# EAGLE board Mk4 Final a Panel score 2x5 (EAGLE 9.0.1), part 29 of 29
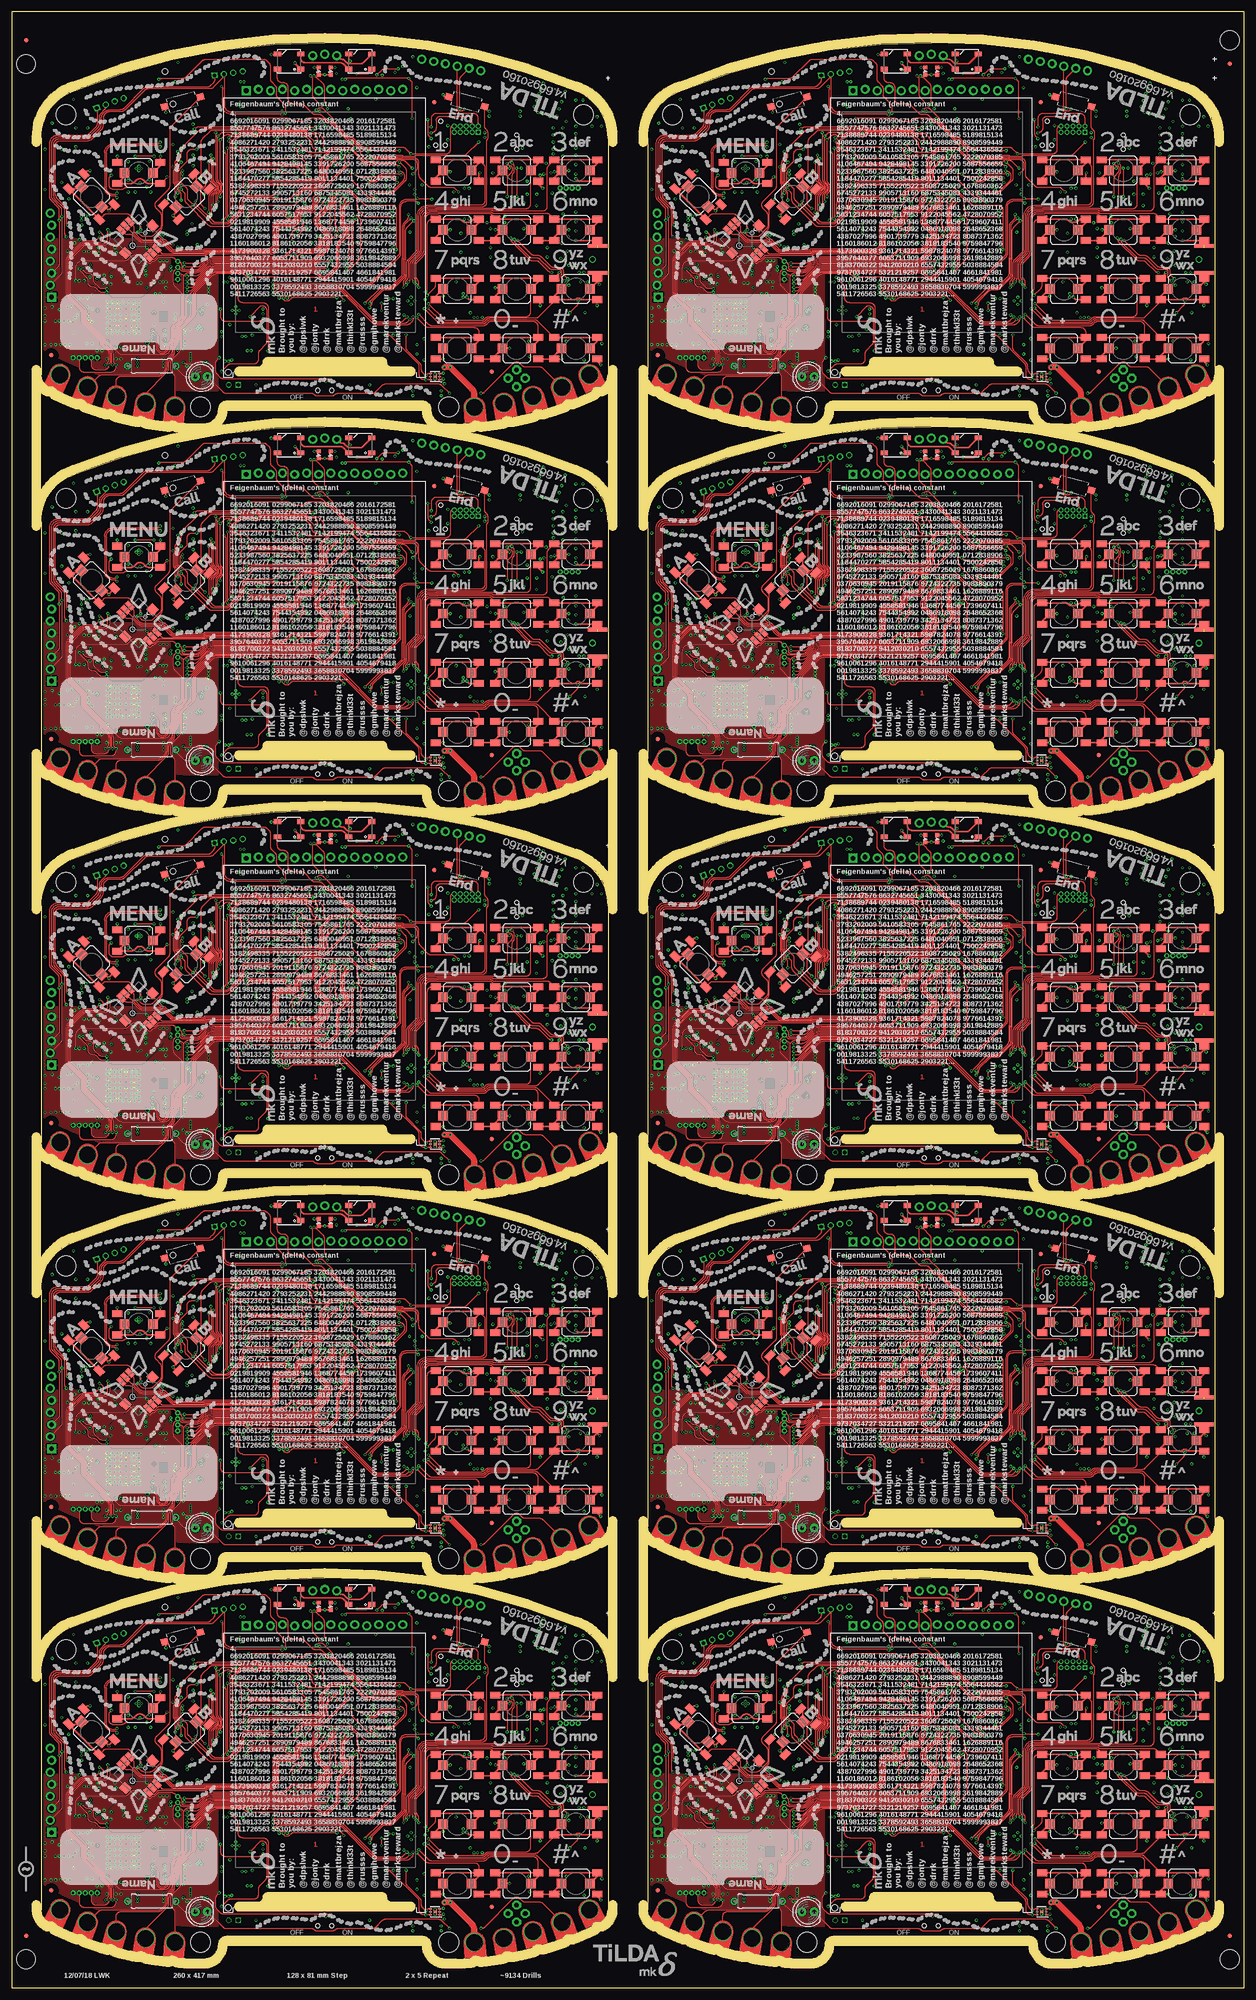
[diagram p0: board, top side]
## Tracks (layer width: path | path; a pad name or v marks a point on that pad's centre or on a via) (continued)
VDD_ANA9  (via drill 0.3) (continued)
  pour 3V3@2 (rank 2, no thermals): 158.75,357.75 158.75,357 158.25,356.5 156.5,356.5 155.75,357.5 148.5,357.5 146.5,355.5 146.5,354 146,353.5 145.75,353.5 145.5,353.75 145.5,354.5 145.75,354.75 145.75,357.5 145.25,358 144.5,358 144,358.5 144,362.3 143.7,362.6 143.7,363.5 144.2,364 144.8,364 145.25,363.55 145.25,360.25 145.5,360 147,360 147.25,360.25 149.65,360.25 151.65,358.25 158.25,358.25
VDD_DIG_CC  (via drill 0.3)
  3V3@2 0.5: v23,22.25 23,23 23.5,23.5 27.5,23.5 28.75,24.75 v29.75,24.75
  3V3@2 1: v29.75,24.75 30.25,24.75 31.3,25.8 31.3,26.6 31.8,27.1 33.17,27.1 33.55,27.48 33.55,31.45 33.5,31.5 v33.5,38.5 v33.5,39.25
  Bottom 0.25: C96.1 v29.75,24.75 29.23,25.27 arc-45 29.17,25.41 29.17,25.86 arc45 29.12,26 29.06,26.06 arc-45 29,26.2 29,27.75 arc90 28,28.75 IC15.56 | IC15.9 23.25,22.85 arc-45 v23,22.25 C97.1
  Bottom 0.4: C87.1 32.25,39 32.05,39.2 30.1,39.2 L9.1 | v33.5,39.25 32.6,39.25 C87.1 | v33.5,38.5 32.65,38.5 C87.1
VDD_DIG_CC1  (via drill 0.3)
  3V3@2 0.5: v151,22.25 151,23 151.5,23.5 155.5,23.5 156.75,24.75 v157.75,24.75
  3V3@2 1: v157.75,24.75 158.25,24.75 159.3,25.8 159.3,26.6 159.8,27.1 161.17,27.1 161.55,27.48 161.55,31.45 161.5,31.5 v161.5,38.5 v161.5,39.25
  Bottom 0.25: C204.1 v157.75,24.75 157.23,25.27 arc-45 157.18,25.41 157.18,25.86 arc45 157.12,26 157.06,26.06 arc-45 157,26.2 157,27.75 arc90 156,28.75 IC29.56 | IC29.9 151.25,22.85 arc-45 v151,22.25 C205.1
  Bottom 0.4: C195.1 160.25,39 160.05,39.2 158.1,39.2 L18.1 | v161.5,39.25 160.6,39.25 C195.1 | v161.5,38.5 160.65,38.5 C195.1
VDD_DIG_CC2  (via drill 0.3)
  3V3@2 0.5: v23,103.25 23,104 23.5,104.5 27.5,104.5 28.75,105.75 v29.75,105.75
  3V3@2 1: v29.75,105.75 30.25,105.75 31.3,106.8 31.3,107.6 31.8,108.1 33.17,108.1 33.55,108.48 33.55,112.45 33.5,112.5 v33.5,119.5 v33.5,120.25
  Bottom 0.25: C312.1 v29.75,105.75 29.23,106.27 arc-45 29.17,106.41 29.17,106.86 arc45 29.12,107 29.06,107.06 arc-45 29,107.2 29,108.75 arc90 28,109.75 IC47.56 | IC47.9 23.25,103.85 arc-45 v23,103.25 C313.1
  Bottom 0.4: C303.1 32.25,120 32.05,120.2 30.1,120.2 L27.1 | v33.5,120.25 32.6,120.25 C303.1 | v33.5,119.5 32.65,119.5 C303.1
VDD_DIG_CC3  (via drill 0.3)
  3V3@2 0.5: v151,103.25 151,104 151.5,104.5 155.5,104.5 156.75,105.75 v157.75,105.75
  3V3@2 1: v157.75,105.75 158.25,105.75 159.3,106.8 159.3,107.6 159.8,108.1 161.17,108.1 161.55,108.48 161.55,112.45 161.5,112.5 v161.5,119.5 v161.5,120.25
  Bottom 0.25: C420.1 v157.75,105.75 157.23,106.27 arc-45 157.18,106.41 157.18,106.86 arc45 157.12,107 157.06,107.06 arc-45 157,107.2 157,108.75 arc90 156,109.75 IC65.56 | IC65.9 151.25,103.85 arc-45 v151,103.25 C421.1
  Bottom 0.4: C411.1 160.25,120 160.05,120.2 158.1,120.2 L36.1 | v161.5,120.25 160.6,120.25 C411.1 | v161.5,119.5 160.65,119.5 C411.1
VDD_DIG_CC4  (via drill 0.3)
  3V3@2 0.5: v23,184.25 23,185 23.5,185.5 27.5,185.5 28.75,186.75 v29.75,186.75
  3V3@2 1: v29.75,186.75 30.25,186.75 31.3,187.8 31.3,188.6 31.8,189.1 33.17,189.1 33.55,189.48 33.55,193.45 33.5,193.5 v33.5,200.5 v33.5,201.25
  Bottom 0.25: C528.1 v29.75,186.75 29.23,187.27 arc-45 29.17,187.41 29.17,187.86 arc45 29.12,188 29.06,188.06 arc-45 29,188.2 29,189.75 arc90 28,190.75 IC83.56 | IC83.9 23.25,184.85 arc-45 v23,184.25 C529.1
  Bottom 0.4: C519.1 32.25,201 32.05,201.2 30.1,201.2 L45.1 | v33.5,201.25 32.6,201.25 C519.1 | v33.5,200.5 32.65,200.5 C519.1
VDD_DIG_CC5  (via drill 0.3)
  3V3@2 0.5: v151,184.25 151,185 151.5,185.5 155.5,185.5 156.75,186.75 v157.75,186.75
  3V3@2 1: v157.75,186.75 158.25,186.75 159.3,187.8 159.3,188.6 159.8,189.1 161.17,189.1 161.55,189.48 161.55,193.45 161.5,193.5 v161.5,200.5 v161.5,201.25
  Bottom 0.25: C636.1 v157.75,186.75 157.23,187.27 arc-45 157.18,187.41 157.18,187.86 arc45 157.12,188 157.06,188.06 arc-45 157,188.2 157,189.75 arc90 156,190.75 IC101.56 | IC101.9 151.25,184.85 arc-45 v151,184.25 C637.1
  Bottom 0.4: C627.1 160.25,201 160.05,201.2 158.1,201.2 L54.1 | v161.5,201.25 160.6,201.25 C627.1 | v161.5,200.5 160.65,200.5 C627.1
VDD_DIG_CC6  (via drill 0.3)
  3V3@2 0.5: v23,265.25 23,266 23.5,266.5 27.5,266.5 28.75,267.75 v29.75,267.75
  3V3@2 1: v29.75,267.75 30.25,267.75 31.3,268.8 31.3,269.6 31.8,270.1 33.17,270.1 33.55,270.48 33.55,274.45 33.5,274.5 v33.5,281.5 v33.5,282.25
  Bottom 0.25: C744.1 v29.75,267.75 29.23,268.27 arc-45 29.17,268.41 29.17,268.86 arc45 29.12,269 29.06,269.06 arc-45 29,269.2 29,270.75 arc90 28,271.75 IC119.56 | IC119.9 23.25,265.85 arc-45 v23,265.25 C745.1
  Bottom 0.4: C735.1 32.25,282 32.05,282.2 30.1,282.2 L63.1 | v33.5,282.25 32.6,282.25 C735.1 | v33.5,281.5 32.65,281.5 C735.1
VDD_DIG_CC7  (via drill 0.3)
  3V3@2 0.5: v151,265.25 151,266 151.5,266.5 155.5,266.5 156.75,267.75 v157.75,267.75
  3V3@2 1: v157.75,267.75 158.25,267.75 159.3,268.8 159.3,269.6 159.8,270.1 161.17,270.1 161.55,270.48 161.55,274.45 161.5,274.5 v161.5,281.5 v161.5,282.25
  Bottom 0.25: C852.1 v157.75,267.75 157.23,268.27 arc-45 157.18,268.41 157.18,268.86 arc45 157.12,269 157.06,269.06 arc-45 157,269.2 157,270.75 arc90 156,271.75 IC137.56 | IC137.9 151.25,265.85 arc-45 v151,265.25 C853.1
  Bottom 0.4: C843.1 160.25,282 160.05,282.2 158.1,282.2 L72.1 | v161.5,282.25 160.6,282.25 C843.1 | v161.5,281.5 160.65,281.5 C843.1
VDD_DIG_CC8  (via drill 0.3)
  3V3@2 0.5: v23,346.25 23,347 23.5,347.5 27.5,347.5 28.75,348.75 v29.75,348.75
  3V3@2 1: v29.75,348.75 30.25,348.75 31.3,349.8 31.3,350.6 31.8,351.1 33.17,351.1 33.55,351.48 33.55,355.45 33.5,355.5 v33.5,362.5 v33.5,363.25
  Bottom 0.25: C960.1 v29.75,348.75 29.23,349.27 arc-45 29.17,349.41 29.17,349.86 arc45 29.12,350 29.06,350.06 arc-45 29,350.2 29,351.75 arc90 28,352.75 IC155.56 | IC155.9 23.25,346.85 arc-45 v23,346.25 C961.1
  Bottom 0.4: C951.1 32.25,363 32.05,363.2 30.1,363.2 L81.1 | v33.5,363.25 32.6,363.25 C951.1 | v33.5,362.5 32.65,362.5 C951.1
VDD_DIG_CC9  (via drill 0.3)
  3V3@2 0.5: v151,346.25 151,347 151.5,347.5 155.5,347.5 156.75,348.75 v157.75,348.75
  3V3@2 1: v157.75,348.75 158.25,348.75 159.3,349.8 159.3,350.6 159.8,351.1 161.17,351.1 161.55,351.48 161.55,355.45 161.5,355.5 v161.5,362.5 v161.5,363.25
  Bottom 0.25: C1068.1 v157.75,348.75 157.23,349.27 arc-45 157.18,349.41 157.18,349.86 arc45 157.12,350 157.06,350.06 arc-45 157,350.2 157,351.75 arc90 156,352.75 IC173.56 | IC173.9 151.25,346.85 arc-45 v151,346.25 C1069.1
  Bottom 0.4: C1059.1 160.25,363 160.05,363.2 158.1,363.2 L90.1 | v161.5,363.25 160.6,363.25 C1059.1 | v161.5,362.5 160.65,362.5 C1059.1
VDD_EXT
  Bottom 0.2: R29.1 112,38.5 arc90 111,39.5 105.3,39.5 arc90 104.3,38.5 IC5.40
VDD_EXT1
  Bottom 0.2: R111.1 240,38.5 arc90 239,39.5 233.3,39.5 arc90 232.3,38.5 IC21.40
VDD_EXT2
  Bottom 0.2: R189.1 112,119.5 arc90 111,120.5 105.3,120.5 arc90 104.3,119.5 IC39.40
VDD_EXT3
  Bottom 0.2: R267.1 240,119.5 arc90 239,120.5 233.3,120.5 arc90 232.3,119.5 IC57.40
VDD_EXT4
  Bottom 0.2: R345.1 112,200.5 arc90 111,201.5 105.3,201.5 arc90 104.3,200.5 IC75.40
VDD_EXT5
  Bottom 0.2: R423.1 240,200.5 arc90 239,201.5 233.3,201.5 arc90 232.3,200.5 IC93.40
VDD_EXT6
  Bottom 0.2: R501.1 112,281.5 arc90 111,282.5 105.3,282.5 arc90 104.3,281.5 IC111.40
VDD_EXT7
  Bottom 0.2: R579.1 240,281.5 arc90 239,282.5 233.3,282.5 arc90 232.3,281.5 IC129.40
VDD_EXT8
  Bottom 0.2: R657.1 112,362.5 arc90 111,363.5 105.3,363.5 arc90 104.3,362.5 IC147.40
VDD_EXT9
  Bottom 0.2: R735.1 240,362.5 arc90 239,363.5 233.3,363.5 arc90 232.3,362.5 IC165.40
VDD_PA  (via drill 0.3)
  Bottom 0.25: IC15.42 24.25,34 arc-45 24.54,34.71 25.16,35.32 arc45 25.45,36.03 25.45,37.24 arc-45 25.6,37.6 25.88,37.88 C85.1 | IC15.33 19.65,33.05
  Bottom 0.4: C85.1 C84.1 | C84.1 27.77,38.4 v28.25,38.4 | C84.1 27.73,37.4 v28.25,37.4 | C86.1 18.96,35.17 arc-45 19.25,34.46 19.25,33.86 arc45 19.54,33.16 19.65,33.05 | 18.7,35.95 18.7,36.08 | C86.1 18.7,36.08 | 18.7,36.08 v18.7,36.75 | v17.95,36.75 17.95,36.59 arc45 18.24,35.88 C86.1
  pour 3V3@2 (no thermals): 19,37.5 19,36.5 18.75,36.25 17.75,36.25 17.5,36.5 17.5,38.5 19,40 24.5,40 25.5,39 28.25,39 28.75,38.5 28.75,37.5 28.25,37 25,37 24,38 19.5,38
VDD_PA1  (via drill 0.3)
  Bottom 0.25: IC29.42 152.25,34 arc-45 152.54,34.71 153.16,35.32 arc45 153.45,36.03 153.45,37.24 arc-45 153.6,37.6 153.88,37.88 C194.1 | IC29.33 147.65,33.05
  Bottom 0.4: C194.1 C193.1 | C193.1 155.78,38.4 v156.25,38.4 | C193.1 155.72,37.4 v156.25,37.4 | C192.1 146.96,35.17 arc-45 147.25,34.46 147.25,33.86 arc45 147.54,33.16 147.65,33.05 | 146.7,35.95 146.7,36.08 | C192.1 146.7,36.08 | 146.7,36.08 v146.7,36.75 | v145.95,36.75 145.95,36.59 arc45 146.24,35.88 C192.1
  pour 3V3@2 (no thermals): 147,37.5 147,36.5 146.75,36.25 145.75,36.25 145.5,36.5 145.5,38.5 147,40 152.5,40 153.5,39 156.25,39 156.75,38.5 156.75,37.5 156.25,37 153,37 152,38 147.5,38
VDD_PA2  (via drill 0.3)
  Bottom 0.25: IC47.42 24.25,115 arc-45 24.54,115.71 25.16,116.32 arc45 25.45,117.03 25.45,118.24 arc-45 25.6,118.6 25.88,118.88 C302.1 | IC47.33 19.65,114.05
  Bottom 0.4: C302.1 C301.1 | C301.1 27.77,119.4 v28.25,119.4 | C301.1 27.73,118.4 v28.25,118.4 | C300.1 18.96,116.17 arc-45 19.25,115.46 19.25,114.86 arc45 19.54,114.16 19.65,114.05 | 18.7,116.95 18.7,117.08 | C300.1 18.7,117.08 | 18.7,117.08 v18.7,117.75 | v17.95,117.75 17.95,117.59 arc45 18.24,116.88 C300.1
  pour 3V3@2 (no thermals): 19,118.5 19,117.5 18.75,117.25 17.75,117.25 17.5,117.5 17.5,119.5 19,121 24.5,121 25.5,120 28.25,120 28.75,119.5 28.75,118.5 28.25,118 25,118 24,119 19.5,119
VDD_PA3  (via drill 0.3)
  Bottom 0.25: IC65.42 152.25,115 arc-45 152.54,115.71 153.16,116.32 arc45 153.45,117.03 153.45,118.24 arc-45 153.6,118.6 153.88,118.88 C410.1 | IC65.33 147.65,114.05
  Bottom 0.4: C410.1 C409.1 | C409.1 155.78,119.4 v156.25,119.4 | C409.1 155.72,118.4 v156.25,118.4 | C408.1 146.96,116.17 arc-45 147.25,115.46 147.25,114.86 arc45 147.54,114.16 147.65,114.05 | 146.7,116.95 146.7,117.08 | C408.1 146.7,117.08 | 146.7,117.08 v146.7,117.75 | v145.95,117.75 145.95,117.59 arc45 146.24,116.88 C408.1
  pour 3V3@2 (no thermals): 147,118.5 147,117.5 146.75,117.25 145.75,117.25 145.5,117.5 145.5,119.5 147,121 152.5,121 153.5,120 156.25,120 156.75,119.5 156.75,118.5 156.25,118 153,118 152,119 147.5,119
VDD_PA4  (via drill 0.3)
  Bottom 0.25: IC83.42 24.25,196 arc-45 24.54,196.71 25.16,197.32 arc45 25.45,198.03 25.45,199.24 arc-45 25.6,199.6 25.88,199.88 C518.1 | IC83.33 19.65,195.05
  Bottom 0.4: C518.1 C517.1 | C517.1 27.77,200.4 v28.25,200.4 | C517.1 27.73,199.4 v28.25,199.4 | C516.1 18.96,197.17 arc-45 19.25,196.46 19.25,195.86 arc45 19.54,195.16 19.65,195.05 | 18.7,197.95 18.7,198.07 | C516.1 18.7,198.07 | 18.7,198.07 v18.7,198.75 | v17.95,198.75 17.95,198.59 arc45 18.24,197.88 C516.1
  pour 3V3@2 (no thermals): 19,199.5 19,198.5 18.75,198.25 17.75,198.25 17.5,198.5 17.5,200.5 19,202 24.5,202 25.5,201 28.25,201 28.75,200.5 28.75,199.5 28.25,199 25,199 24,200 19.5,200
VDD_PA5  (via drill 0.3)
  Bottom 0.25: IC101.42 152.25,196 arc-45 152.54,196.71 153.16,197.32 arc45 153.45,198.03 153.45,199.24 arc-45 153.6,199.6 153.88,199.88 C626.1 | IC101.33 147.65,195.05
  Bottom 0.4: C626.1 C625.1 | C625.1 155.78,200.4 v156.25,200.4 | C625.1 155.72,199.4 v156.25,199.4 | C624.1 146.96,197.17 arc-45 147.25,196.46 147.25,195.86 arc45 147.54,195.16 147.65,195.05 | 146.7,197.95 146.7,198.07 | C624.1 146.7,198.07 | 146.7,198.07 v146.7,198.75 | v145.95,198.75 145.95,198.59 arc45 146.24,197.88 C624.1
  pour 3V3@2 (no thermals): 147,199.5 147,198.5 146.75,198.25 145.75,198.25 145.5,198.5 145.5,200.5 147,202 152.5,202 153.5,201 156.25,201 156.75,200.5 156.75,199.5 156.25,199 153,199 152,200 147.5,200
VDD_PA6  (via drill 0.3)
  Bottom 0.25: IC119.42 24.25,277 arc-45 24.54,277.71 25.16,278.32 arc45 25.45,279.03 25.45,280.24 arc-45 25.6,280.6 25.88,280.88 C734.1 | IC119.33 19.65,276.05
  Bottom 0.4: C734.1 C733.1 | C733.1 27.77,281.4 v28.25,281.4 | C733.1 27.73,280.4 v28.25,280.4 | C732.1 18.96,278.17 arc-45 19.25,277.46 19.25,276.86 arc45 19.54,276.16 19.65,276.05 | 18.7,278.95 18.7,279.07 | C732.1 18.7,279.07 | 18.7,279.07 v18.7,279.75 | v17.95,279.75 17.95,279.59 arc45 18.24,278.88 C732.1
  pour 3V3@2 (no thermals): 19,280.5 19,279.5 18.75,279.25 17.75,279.25 17.5,279.5 17.5,281.5 19,283 24.5,283 25.5,282 28.25,282 28.75,281.5 28.75,280.5 28.25,280 25,280 24,281 19.5,281
VDD_PA7  (via drill 0.3)
  Bottom 0.25: IC137.42 152.25,277 arc-45 152.54,277.71 153.16,278.32 arc45 153.45,279.03 153.45,280.24 arc-45 153.6,280.6 153.88,280.88 C842.1 | IC137.33 147.65,276.05
  Bottom 0.4: C842.1 C841.1 | C841.1 155.78,281.4 v156.25,281.4 | C841.1 155.72,280.4 v156.25,280.4 | C840.1 146.96,278.17 arc-45 147.25,277.46 147.25,276.86 arc45 147.54,276.16 147.65,276.05 | 146.7,278.95 146.7,279.07 | C840.1 146.7,279.07 | 146.7,279.07 v146.7,279.75 | v145.95,279.75 145.95,279.59 arc45 146.24,278.88 C840.1
  pour 3V3@2 (no thermals): 147,280.5 147,279.5 146.75,279.25 145.75,279.25 145.5,279.5 145.5,281.5 147,283 152.5,283 153.5,282 156.25,282 156.75,281.5 156.75,280.5 156.25,280 153,280 152,281 147.5,281
VDD_PA8  (via drill 0.3)
  Bottom 0.25: IC155.42 24.25,358 arc-45 24.54,358.71 25.16,359.32 arc45 25.45,360.03 25.45,361.24 arc-45 25.6,361.6 25.88,361.88 C950.1 | IC155.33 19.65,357.05
  Bottom 0.4: C950.1 C949.1 | C949.1 27.77,362.4 v28.25,362.4 | C949.1 27.73,361.4 v28.25,361.4 | C948.1 18.96,359.17 arc-45 19.25,358.46 19.25,357.86 arc45 19.54,357.16 19.65,357.05 | 18.7,359.95 18.7,360.07 | C948.1 18.7,360.07 | 18.7,360.07 v18.7,360.75 | v17.95,360.75 17.95,360.59 arc45 18.24,359.88 C948.1
  pour 3V3@2 (no thermals): 19,361.5 19,360.5 18.75,360.25 17.75,360.25 17.5,360.5 17.5,362.5 19,364 24.5,364 25.5,363 28.25,363 28.75,362.5 28.75,361.5 28.25,361 25,361 24,362 19.5,362
VDD_PA9  (via drill 0.3)
  Bottom 0.25: IC173.42 152.25,358 arc-45 152.54,358.71 153.16,359.32 arc45 153.45,360.03 153.45,361.24 arc-45 153.6,361.6 153.88,361.88 C1058.1 | IC173.33 147.65,357.05
  Bottom 0.4: C1058.1 C1057.1 | C1057.1 155.78,362.4 v156.25,362.4 | C1057.1 155.72,361.4 v156.25,361.4 | C1056.1 146.96,359.17 arc-45 147.25,358.46 147.25,357.86 arc45 147.54,357.16 147.65,357.05 | 146.7,359.95 146.7,360.07 | C1056.1 146.7,360.07 | 146.7,360.07 v146.7,360.75 | v145.95,360.75 145.95,360.59 arc45 146.24,359.88 C1056.1
  pour 3V3@2 (no thermals): 147,361.5 147,360.5 146.75,360.25 145.75,360.25 145.5,360.5 145.5,362.5 147,364 152.5,364 153.5,363 156.25,363 156.75,362.5 156.75,361.5 156.25,361 153,361 152,362 147.5,362
VDD_PLL
  Bottom 0.25: IC15.24 C94.1
VDD_PLL1
  Bottom 0.25: IC29.24 C202.1
VDD_PLL2
  Bottom 0.25: IC47.24 C310.1
VDD_PLL3
  Bottom 0.25: IC65.24 C418.1
VDD_PLL4
  Bottom 0.25: IC83.24 C526.1
VDD_PLL5
  Bottom 0.25: IC101.24 C634.1
VDD_PLL6
  Bottom 0.25: IC119.24 C742.1
VDD_PLL7
  Bottom 0.25: IC137.24 C850.1
VDD_PLL8
  Bottom 0.25: IC155.24 C958.1
VDD_PLL9
  Bottom 0.25: IC173.24 C1066.1
VDD_RAM
  Bottom 0.2: IC15.49 29.34,32.25 arc-45 30.04,31.96 C95.1
VDD_RAM1
  Bottom 0.2: IC29.49 157.34,32.25 arc-45 158.04,31.96 C203.1
VDD_RAM2
  Bottom 0.2: IC47.49 29.34,113.25 arc-45 30.04,112.96 C311.1
VDD_RAM3
  Bottom 0.2: IC65.49 157.34,113.25 arc-45 158.04,112.96 C419.1
VDD_RAM4
  Bottom 0.2: IC83.49 29.34,194.25 arc-45 30.04,193.96 C527.1
VDD_RAM5
  Bottom 0.2: IC101.49 157.34,194.25 arc-45 158.04,193.96 C635.1
VDD_RAM6
  Bottom 0.2: IC119.49 29.34,275.25 arc-45 30.04,274.96 C743.1
VDD_RAM7
  Bottom 0.2: IC137.49 157.34,275.25 arc-45 158.04,274.96 C851.1
VDD_RAM8
  Bottom 0.2: IC155.49 29.34,356.25 arc-45 30.04,355.96 C959.1
VDD_RAM9
  Bottom 0.2: IC173.49 157.34,356.25 arc-45 158.04,355.96 C1067.1
VDDC
  Bottom 0.2: 72.8,58 IC1.115 74.6,58 | 68.6,65.8 IC1.87 68.6,67.6
  Bottom 0.25: 72.8,58 71.6,58 arc-90 68.6,61 68.6,65.8 | 68.6,67.6 68.6,67.65 C8.2 | 74.6,58 75.62,58 C6.2 C7.2
VDDC1
  Bottom 0.2: 200.8,58 IC20.115 202.6,58 | 196.6,65.8 IC20.87 196.6,67.6
  Bottom 0.25: 200.8,58 199.6,58 arc-90 196.6,61 196.6,65.8 | 196.6,67.6 196.6,67.65 C118.2 | 202.6,58 203.62,58 C116.2 C117.2
VDDC2
  Bottom 0.2: 72.8,139 IC38.115 74.6,139 | 68.6,146.8 IC38.87 68.6,148.6
  Bottom 0.25: 72.8,139 71.6,139 arc-90 68.6,142 68.6,146.8 | 68.6,148.6 68.6,148.65 C226.2 | 74.6,139 75.62,139 C224.2 C225.2
VDDC3
  Bottom 0.2: 200.8,139 IC56.115 202.6,139 | 196.6,146.8 IC56.87 196.6,148.6
  Bottom 0.25: 200.8,139 199.6,139 arc-90 196.6,142 196.6,146.8 | 196.6,148.6 196.6,148.65 C334.2 | 202.6,139 203.62,139 C332.2 C333.2
VDDC4
  Bottom 0.2: 72.8,220 IC74.115 74.6,220 | 68.6,227.8 IC74.87 68.6,229.6
  Bottom 0.25: 72.8,220 71.6,220 arc-90 68.6,223 68.6,227.8 | 68.6,229.6 68.6,229.65 C442.2 | 74.6,220 75.62,220 C440.2 C441.2
VDDC5
  Bottom 0.2: 200.8,220 IC92.115 202.6,220 | 196.6,227.8 IC92.87 196.6,229.6
  Bottom 0.25: 200.8,220 199.6,220 arc-90 196.6,223 196.6,227.8 | 196.6,229.6 196.6,229.65 C550.2 | 202.6,220 203.62,220 C548.2 C549.2
VDDC6
  Bottom 0.2: 72.8,301 IC110.115 74.6,301 | 68.6,308.8 IC110.87 68.6,310.6
  Bottom 0.25: 72.8,301 71.6,301 arc-90 68.6,304 68.6,308.8 | 68.6,310.6 68.6,310.65 C658.2 | 74.6,301 75.62,301 C656.2 C657.2
VDDC7
  Bottom 0.2: 200.8,301 IC128.115 202.6,301 | 196.6,308.8 IC128.87 196.6,310.6
  Bottom 0.25: 200.8,301 199.6,301 arc-90 196.6,304 196.6,308.8 | 196.6,310.6 196.6,310.65 C766.2 | 202.6,301 203.62,301 C764.2 C765.2
VDDC8
  Bottom 0.2: 72.8,382 IC146.115 74.6,382 | 68.6,389.8 IC146.87 68.6,391.6
  Bottom 0.25: 72.8,382 71.6,382 arc-90 68.6,385 68.6,389.8 | 68.6,391.6 68.6,391.65 C874.2 | 74.6,382 75.62,382 C872.2 C873.2
VDDC9
  Bottom 0.2: 200.8,382 IC164.115 202.6,382 | 196.6,389.8 IC164.87 196.6,391.6
  Bottom 0.25: 200.8,382 199.6,382 arc-90 196.6,385 196.6,389.8 | 196.6,391.6 196.6,391.65 C982.2 | 202.6,382 203.62,382 C980.2 C981.2
WFIF_ANT_L
  Bottom 0.4: L6.2 C77.2 8.3,28.8 ANT1.1
WFIF_ANT_L1
  Bottom 0.4: L15.2 C178.2 136.3,28.8 ANT3.1
WFIF_ANT_L2
  Bottom 0.4: L24.2 C286.2 8.3,109.8 ANT5.1
WFIF_ANT_L3
  Bottom 0.4: L33.2 C394.2 136.3,109.8 ANT7.1
WFIF_ANT_L4
  Bottom 0.4: L42.2 C502.2 8.3,190.8 ANT9.1
WFIF_ANT_L5
  Bottom 0.4: L51.2 C610.2 136.3,190.8 ANT11.1
WFIF_ANT_L6
  Bottom 0.4: L60.2 C718.2 8.3,271.8 ANT13.1
WFIF_ANT_L7
  Bottom 0.4: L69.2 C826.2 136.3,271.8 ANT15.1
WFIF_ANT_L8
  Bottom 0.4: L78.2 C934.2 8.3,352.8 ANT17.1
WFIF_ANT_L9
  Bottom 0.4: L87.2 C1042.2 136.3,352.8 ANT19.1
WIFI_ANT
  Bottom 0.35: FL1.OUT 16.45,31.75
  Bottom 0.4: L6.1 C76.2 12.09,29 arc45 12.79,29.29 13.44,29.94 arc45 13.5,30.09 arc-45 13.79,30.79 14.46,31.46 arc-45 15.16,31.75 16.45,31.75
WIFI_ANT1
  Bottom 0.35: FL2.OUT 144.45,31.75
  Bottom 0.4: L15.1 C177.2 140.09,29 arc45 140.79,29.29 141.44,29.94 arc45 141.5,30.09 arc-45 141.79,30.79 142.46,31.46 arc-45 143.16,31.75 144.45,31.75
WIFI_ANT2
  Bottom 0.35: FL3.OUT 16.45,112.75
  Bottom 0.4: L24.1 C285.2 12.09,110 arc45 12.79,110.29 13.44,110.94 arc45 13.5,111.09 arc-45 13.79,111.79 14.46,112.46 arc-45 15.16,112.75 16.45,112.75
WIFI_ANT3
  Bottom 0.35: FL4.OUT 144.45,112.75
  Bottom 0.4: L33.1 C393.2 140.09,110 arc45 140.79,110.29 141.44,110.94 arc45 141.5,111.09 arc-45 141.79,111.79 142.46,112.46 arc-45 143.16,112.75 144.45,112.75
WIFI_ANT4
  Bottom 0.35: FL5.OUT 16.45,193.75
  Bottom 0.4: L42.1 C501.2 12.09,191 arc45 12.79,191.29 13.44,191.94 arc45 13.5,192.09 arc-45 13.79,192.79 14.46,193.46 arc-45 15.16,193.75 16.45,193.75
WIFI_ANT5
  Bottom 0.35: FL6.OUT 144.45,193.75
  Bottom 0.4: L51.1 C609.2 140.09,191 arc45 140.79,191.29 141.44,191.94 arc45 141.5,192.09 arc-45 141.79,192.79 142.46,193.46 arc-45 143.16,193.75 144.45,193.75
WIFI_ANT6
  Bottom 0.35: FL7.OUT 16.45,274.75
  Bottom 0.4: L60.1 C717.2 12.09,272 arc45 12.79,272.29 13.44,272.94 arc45 13.5,273.09 arc-45 13.79,273.79 14.46,274.46 arc-45 15.16,274.75 16.45,274.75
WIFI_ANT7
  Bottom 0.35: FL8.OUT 144.45,274.75
  Bottom 0.4: L69.1 C825.2 140.09,272 arc45 140.79,272.29 141.44,272.94 arc45 141.5,273.09 arc-45 141.79,273.79 142.46,274.46 arc-45 143.16,274.75 144.45,274.75
WIFI_ANT8
  Bottom 0.35: FL9.OUT 16.45,355.75
  Bottom 0.4: L78.1 C933.2 12.09,353 arc45 12.79,353.29 13.44,353.94 arc45 13.5,354.09 arc-45 13.79,354.79 14.46,355.46 arc-45 15.16,355.75 16.45,355.75
WIFI_ANT9
  Bottom 0.35: FL10.OUT 144.45,355.75
  Bottom 0.4: L87.1 C1041.2 140.09,353 arc45 140.79,353.29 141.44,353.94 arc45 141.5,354.09 arc-45 141.79,354.79 142.46,355.46 arc-45 143.16,355.75 144.45,355.75
WIFI_ANT_F
  Bottom 0.2: IC15.31 18.65,31.75
  Bottom 0.35: FL1.IN 17.52,31.75
  Bottom 0.4: 18.65,31.75 17.52,31.75
WIFI_ANT_F1
  Bottom 0.2: IC29.31 146.65,31.75
  Bottom 0.35: FL2.IN 145.53,31.75
  Bottom 0.4: 146.65,31.75 145.53,31.75
WIFI_ANT_F2
  Bottom 0.2: IC47.31 18.65,112.75
  Bottom 0.35: FL3.IN 17.52,112.75
  Bottom 0.4: 18.65,112.75 17.52,112.75
WIFI_ANT_F3
  Bottom 0.2: IC65.31 146.65,112.75
  Bottom 0.35: FL4.IN 145.53,112.75
  Bottom 0.4: 146.65,112.75 145.53,112.75
WIFI_ANT_F4
  Bottom 0.2: IC83.31 18.65,193.75
  Bottom 0.35: FL5.IN 17.52,193.75
  Bottom 0.4: 18.65,193.75 17.52,193.75
WIFI_ANT_F5
  Bottom 0.2: IC101.31 146.65,193.75
  Bottom 0.35: FL6.IN 145.53,193.75
  Bottom 0.4: 146.65,193.75 145.53,193.75
WIFI_ANT_F6
  Bottom 0.2: IC119.31 18.65,274.75
  Bottom 0.35: FL7.IN 17.52,274.75
  Bottom 0.4: 18.65,274.75 17.52,274.75
WIFI_ANT_F7
  Bottom 0.2: IC137.31 146.65,274.75
  Bottom 0.35: FL8.IN 145.53,274.75
  Bottom 0.4: 146.65,274.75 145.53,274.75
WIFI_ANT_F8
  Bottom 0.2: IC155.31 18.65,355.75
  Bottom 0.35: FL9.IN 17.52,355.75
  Bottom 0.4: 18.65,355.75 17.52,355.75
WIFI_ANT_F9
  Bottom 0.2: IC173.31 146.65,355.75
  Bottom 0.35: FL10.IN 145.53,355.75
  Bottom 0.4: 146.65,355.75 145.53,355.75
WS2812_OUT
  Top 0.3: LED2.2 74.14,82.29 arc-45 73.44,82 71.41,82 arc-45 70.71,82.29 70.29,82.71 arc45 69.59,83 arc-45 69.12,83.19 JP2.3
WS2812_OUT1
  Top 0.3: LED8.2 202.14,82.29 arc-45 201.44,82 199.41,82 arc-45 198.71,82.29 198.29,82.71 arc45 197.59,83 arc-45 197.12,83.19 JP11.3
WS2812_OUT2
  Top 0.3: LED14.2 74.14,163.29 arc-45 73.44,163 71.41,163 arc-45 70.71,163.29 70.29,163.71 arc45 69.59,164 arc-45 69.12,164.19 JP20.3
WS2812_OUT3
  Top 0.3: LED20.2 202.14,163.29 arc-45 201.44,163 199.41,163 arc-45 198.71,163.29 198.29,163.71 arc45 197.59,164 arc-45 197.12,164.19 JP29.3